# KiCad board F02-Func-Decoder-p.kicad_pcb (continued)
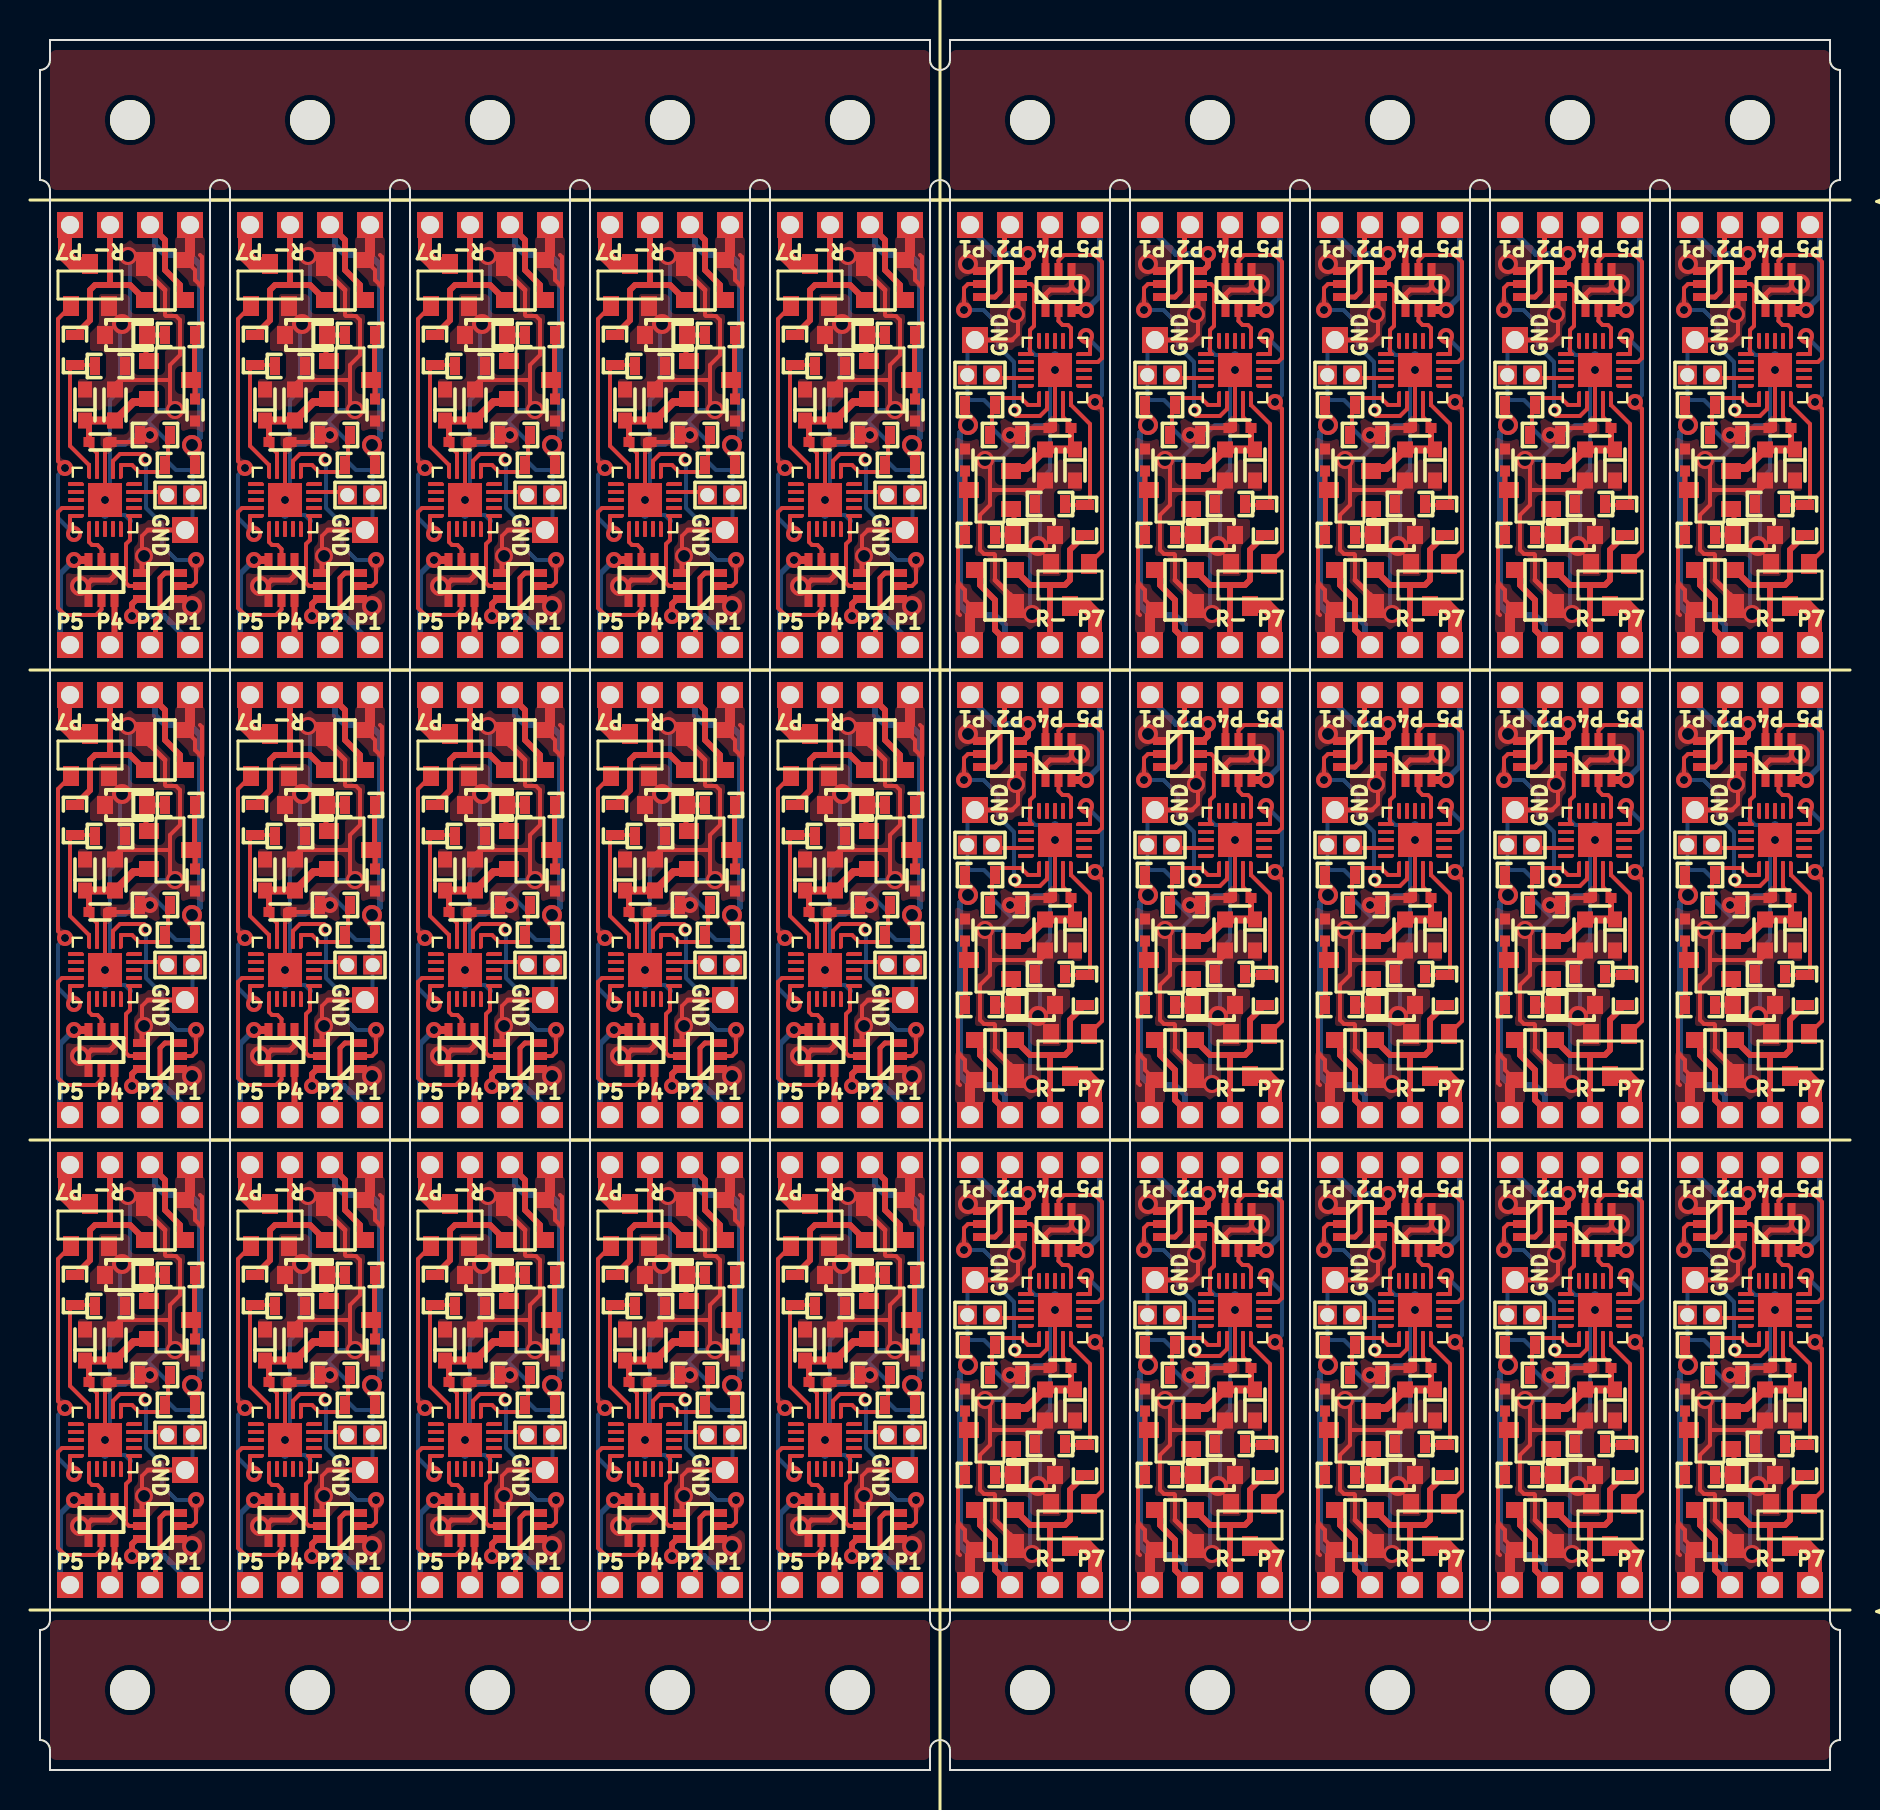
[diagram p0: board, top side]
## Nets (continued)
GND: C1.2 C1#2.2 C2.2 C2#2.2 C3.2 C3#2.2 C4.2 C4#2.2 C5.2 C5#2.2 C6.2 C6#2.2 C7.2 C7#2.2 C8.2 C8#2.2 C9.2 C9#2.2 C10.2 C10#2.2 C11.2 C11#2.2 C12.2 C12#2.2 C13.2 C13#2.2 C14.2 C14#2.2 C15.2 C15#2.2 C16.2 C16#2.2 C17.2 C17#2.2 C18.2 C18#2.2 C19.2 C19#2.2 C20.2 C20#2.2 C21.2 C21#2.2 C22.2 C22#2.2 C23.2 C23#2.2 C24.2 C24#2.2 C25.2 C25#2.2 C26.2 C26#2.2 C27.2 C27#2.2 C28.2 C28#2.2 C29.2 C29#2.2 C30.2 C30#2.2 C31.2 C31#2.2 C32.2 C32#2.2 C33.2 C33#2.2 C34.2 C34#2.2 C35.2 C35#2.2 C36.2 C36#2.2 C37.2 C37#2.2 C38.2 C38#2.2 C39.2 C39#2.2 C40.2 C40#2.2 C41.2 C41#2.2 C42.2 C42#2.2 C43.2 C43#2.2 C44.2 C44#2.2 C45.2 C45#2.2 C46.2 C46#2.2 C47.2 C47#2.2 C48.2 C48#2.2 C49.2 C49#2.2 C50.2 C50#2.2 C51.2 C51#2.2 C52.2 C52#2.2 C53.2 C53#2.2 C54.2 C54#2.2 C55.2 C55#2.2 C56.2 C56#2.2 C57.2 C57#2.2 C58.2 C58#2.2 C59.2 C59#2.2 C60.2 C60#2.2 D1.1 D1#2.1 D2.2 D2#2.2 D3.1 D3#2.1 D4.2 D4#2.2 D5.1 D5#2.1 D6.2 D6#2.2 D7.1 D7#2.1 D8.2 D8#2.2 D9.1 D9#2.1 D10.2 D10#2.2 D11.1 D11#2.1 D12.2 D12#2.2 D13.1 D13#2.1 D14.2 D14#2.2 D15.1 D15#2.1 D16.2 D16#2.2 D17.1 D17#2.1 D18.2 D18#2.2 D19.1 D19#2.1 D20.2 D20#2.2 D21.1 D21#2.1 D22.2 D22#2.2 D23.1 D23#2.1 D24.2 D24#2.2 D25.1 D25#2.1 D26.2 D26#2.2 D27.1 D27#2.1 D28.2 D28#2.2 D29.1 D29#2.1 D30.2 D30#2.2 P4.1 P4#2.1 P5.2 P5#2.2 P9.1 P9#2.1 P10.2 P10#2.2 P14.1 P14#2.1 P15.2 P15#2.2 P19.1 P19#2.1 P20.2 P20#2.2 P24.1 P24#2.1 P25.2 P25#2.2 P29.1 P29#2.1 P30.2 P30#2.2 P34.1 P34#2.1 P35.2 P35#2.2 P39.1 P39#2.1 P40.2 P40#2.2 P44.1 P44#2.1 P45.2 P45#2.2 P49.1 P49#2.1 P50.2 P50#2.2 P54.1 P54#2.1 P55.2 P55#2.2 P59.1 P59#2.1 P60.2 P60#2.2 P64.1 P64#2.1 P65.2 P65#2.2 P69.1 P69#2.1 P70.2 P70#2.2 P74.1 P74#2.1 P75.2 P75#2.2 Q2.1 Q2.4 Q2#2.1 Q2#2.4 Q3.2 Q3#2.2 Q4.1 Q4.4 Q4#2.1 Q4#2.4 Q6.1 Q6.4 Q6#2.1 Q6#2.4 Q7.2 Q7#2.2 Q8.1 Q8.4 Q8#2.1 Q8#2.4 Q10.1 Q10.4 Q10#2.1 Q10#2.4 Q11.2 Q11#2.2 Q12.1 Q12.4 Q12#2.1 Q12#2.4 Q14.1 Q14.4 Q14#2.1 Q14#2.4 Q15.2 Q15#2.2 Q16.1 Q16.4 Q16#2.1 Q16#2.4 Q18.1 Q18.4 Q18#2.1 Q18#2.4 Q19.2 Q19#2.2 Q20.1 Q20.4 Q20#2.1 Q20#2.4 Q22.1 Q22.4 Q22#2.1 Q22#2.4 Q23.2 Q23#2.2 Q24.1 Q24.4 Q24#2.1 Q24#2.4 Q26.1 Q26.4 Q26#2.1 Q26#2.4 Q27.2 Q27#2.2 Q28.1 Q28.4 Q28#2.1 Q28#2.4 Q30.1 Q30.4 Q30#2.1 Q30#2.4 Q31.2 Q31#2.2 Q32.1 Q32.4 Q32#2.1 Q32#2.4 Q34.1 Q34.4 Q34#2.1 Q34#2.4 Q35.2 Q35#2.2 Q36.1 Q36.4 Q36#2.1 Q36#2.4 Q38.1 Q38.4 Q38#2.1 Q38#2.4 Q39.2 Q39#2.2 Q40.1 Q40.4 Q40#2.1 Q40#2.4 Q42.1 Q42.4 Q42#2.1 Q42#2.4 Q43.2 Q43#2.2 Q44.1 Q44.4 Q44#2.1 Q44#2.4 Q46.1 Q46.4 Q46#2.1 Q46#2.4 Q47.2 Q47#2.2 Q48.1 Q48.4 Q48#2.1 Q48#2.4 Q50.1 Q50.4 Q50#2.1 Q50#2.4 Q51.2 Q51#2.2 Q52.1 Q52.4 Q52#2.1 Q52#2.4 Q54.1 Q54.4 Q54#2.1 Q54#2.4 Q55.2 Q55#2.2 Q56.1 Q56.4 Q56#2.1 Q56#2.4 Q58.1 Q58.4 Q58#2.1 Q58#2.4 Q59.2 Q59#2.2 Q60.1 Q60.4 Q60#2.1 Q60#2.4 R3.2 R3#2.2 R4.2 R4#2.2 R8.2 R8#2.2 R9.2 R9#2.2 R13.2 R13#2.2 R14.2 R14#2.2 R18.2 R18#2.2 R19.2 R19#2.2 R23.2 R23#2.2 R24.2 R24#2.2 R28.2 R28#2.2 R29.2 R29#2.2 R33.2 R33#2.2 R34.2 R34#2.2 R38.2 R38#2.2 R39.2 R39#2.2 R43.2 R43#2.2 R44.2 R44#2.2 R48.2 R48#2.2 R49.2 R49#2.2 R53.2 R53#2.2 R54.2 R54#2.2 R58.2 R58#2.2 R59.2 R59#2.2 R63.2 R63#2.2 R64.2 R64#2.2 R68.2 R68#2.2 R69.2 R69#2.2 R73.2 R73#2.2 R74.2 R74#2.2 U1.3 U1.21 U1#2.3 U1#2.21 U2.3 U2.21 U2#2.3 U2#2.21 U3.3 U3.21 U3#2.3 U3#2.21 U4.3 U4.21 U4#2.3 U4#2.21 U5.3 U5.21 U5#2.3 U5#2.21 U6.3 U6.21 U6#2.3 U6#2.21 U7.3 U7.21 U7#2.3 U7#2.21 U8.3 U8.21 U8#2.3 U8#2.21 U9.3 U9.21 U9#2.3 U9#2.21 U10.3 U10.21 U10#2.3 U10#2.21 U11.3 U11.21 U11#2.3 U11#2.21 U12.3 U12.21 U12#2.3 U12#2.21 U13.3 U13.21 U13#2.3 U13#2.21 U14.3 U14.21 U14#2.3 U14#2.21 U15.3 U15.21 U15#2.3 U15#2.21
ABC+: U1.6 U1#2.6 U2.6 U2#2.6 U3.6 U3#2.6 U4.6 U4#2.6 U5.6 U5#2.6 U6.6 U6#2.6 U7.6 U7#2.6 U8.6 U8#2.6 U9.6 U9#2.6 U10.6 U10#2.6 U11.6 U11#2.6 U12.6 U12#2.6 U13.6 U13#2.6 U14.6 U14#2.6 U15.6 U15#2.6
ABC-: U1.17 U1#2.17 U2.17 U2#2.17 U3.17 U3#2.17 U4.17 U4#2.17 U5.17 U5#2.17 U6.17 U6#2.17 U7.17 U7#2.17 U8.17 U8#2.17 U9.17 U9#2.17 U10.17 U10#2.17 U11.17 U11#2.17 U12.17 U12#2.17 U13.17 U13#2.17 U14.17 U14#2.17 U15.17 U15#2.17
BEMF: U1.20 U1#2.20 U2.20 U2#2.20 U3.20 U3#2.20 U4.20 U4#2.20 U5.20 U5#2.20 U6.20 U6#2.20 U7.20 U7#2.20 U8.20 U8#2.20 U9.20 U9#2.20 U10.20 U10#2.20 U11.20 U11#2.20 U12.20 U12#2.20 U13.20 U13#2.20 U14.20 U14#2.20 U15.20 U15#2.20
DIR_JP: U1.13 U1#2.13 U2.13 U2#2.13 U3.13 U3#2.13 U4.13 U4#2.13 U5.13 U5#2.13 U6.13 U6#2.13 U7.13 U7#2.13 U8.13 U8#2.13 U9.13 U9#2.13 U10.13 U10#2.13 U11.13 U11#2.13 U12.13 U12#2.13 U13.13 U13#2.13 U14.13 U14#2.13 U15.13 U15#2.13
Func1: Q2.2 Q2#2.2 Q6.2 Q6#2.2 Q10.2 Q10#2.2 Q14.2 Q14#2.2 Q18.2 Q18#2.2 Q22.2 Q22#2.2 Q26.2 Q26#2.2 Q30.2 Q30#2.2 Q34.2 Q34#2.2 Q38.2 Q38#2.2 Q42.2 Q42#2.2 Q46.2 Q46#2.2 Q50.2 Q50#2.2 Q54.2 Q54#2.2 Q58.2 Q58#2.2 U1.2 U1#2.2 U2.2 U2#2.2 U3.2 U3#2.2 U4.2 U4#2.2 U5.2 U5#2.2 U6.2 U6#2.2 U7.2 U7#2.2 U8.2 U8#2.2 U9.2 U9#2.2 U10.2 U10#2.2 U11.2 U11#2.2 U12.2 U12#2.2 U13.2 U13#2.2 U14.2 U14#2.2 U15.2 U15#2.2
Func2: Q2.5 Q2#2.5 Q6.5 Q6#2.5 Q10.5 Q10#2.5 Q14.5 Q14#2.5 Q18.5 Q18#2.5 Q22.5 Q22#2.5 Q26.5 Q26#2.5 Q30.5 Q30#2.5 Q34.5 Q34#2.5 Q38.5 Q38#2.5 Q42.5 Q42#2.5 Q46.5 Q46#2.5 Q50.5 Q50#2.5 Q54.5 Q54#2.5 Q58.5 Q58#2.5 U1.16 U1#2.16 U2.16 U2#2.16 U3.16 U3#2.16 U4.16 U4#2.16 U5.16 U5#2.16 U6.16 U6#2.16 U7.16 U7#2.16 U8.16 U8#2.16 U9.16 U9#2.16 U10.16 U10#2.16 U11.16 U11#2.16 U12.16 U12#2.16 U13.16 U13#2.16 U14.16 U14#2.16 U15.16 U15#2.16
Func3: U1.8 U1#2.8 U2.8 U2#2.8 U3.8 U3#2.8 U4.8 U4#2.8 U5.8 U5#2.8 U6.8 U6#2.8 U7.8 U7#2.8 U8.8 U8#2.8 U9.8 U9#2.8 U10.8 U10#2.8 U11.8 U11#2.8 U12.8 U12#2.8 U13.8 U13#2.8 U14.8 U14#2.8 U15.8 U15#2.8
Func4: Q4.2 Q4#2.2 Q8.2 Q8#2.2 Q12.2 Q12#2.2 Q16.2 Q16#2.2 Q20.2 Q20#2.2 Q24.2 Q24#2.2 Q28.2 Q28#2.2 Q32.2 Q32#2.2 Q36.2 Q36#2.2 Q40.2 Q40#2.2 Q44.2 Q44#2.2 Q48.2 Q48#2.2 Q52.2 Q52#2.2 Q56.2 Q56#2.2 Q60.2 Q60#2.2 U1.11 U1#2.11 U2.11 U2#2.11 U3.11 U3#2.11 U4.11 U4#2.11 U5.11 U5#2.11 U6.11 U6#2.11 U7.11 U7#2.11 U8.11 U8#2.11 U9.11 U9#2.11 U10.11 U10#2.11 U11.11 U11#2.11 U12.11 U12#2.11 U13.11 U13#2.11 U14.11 U14#2.11 U15.11 U15#2.11
Func5: Q4.5 Q4#2.5 Q8.5 Q8#2.5 Q12.5 Q12#2.5 Q16.5 Q16#2.5 Q20.5 Q20#2.5 Q24.5 Q24#2.5 Q28.5 Q28#2.5 Q32.5 Q32#2.5 Q36.5 Q36#2.5 Q40.5 Q40#2.5 Q44.5 Q44#2.5 Q48.5 Q48#2.5 Q52.5 Q52#2.5 Q56.5 Q56#2.5 Q60.5 Q60#2.5 U1.9 U1#2.9 U2.9 U2#2.9 U3.9 U3#2.9 U4.9 U4#2.9 U5.9 U5#2.9 U6.9 U6#2.9 U7.9 U7#2.9 U8.9 U8#2.9 U9.9 U9#2.9 U10.9 U10#2.9 U11.9 U11#2.9 U12.9 U12#2.9 U13.9 U13#2.9 U14.9 U14#2.9 U15.9 U15#2.9
Func6: U1.15 U1#2.15 U2.15 U2#2.15 U3.15 U3#2.15 U4.15 U4#2.15 U5.15 U5#2.15 U6.15 U6#2.15 U7.15 U7#2.15 U8.15 U8#2.15 U9.15 U9#2.15 U10.15 U10#2.15 U11.15 U11#2.15 U12.15 U12#2.15 U13.15 U13#2.15 U14.15 U14#2.15 U15.15 U15#2.15
Func7: Q3.1 Q3#2.1 Q7.1 Q7#2.1 Q11.1 Q11#2.1 Q15.1 Q15#2.1 Q19.1 Q19#2.1 Q23.1 Q23#2.1 Q27.1 Q27#2.1 Q31.1 Q31#2.1 Q35.1 Q35#2.1 Q39.1 Q39#2.1 Q43.1 Q43#2.1 Q47.1 Q47#2.1 Q51.1 Q51#2.1 Q55.1 Q55#2.1 Q59.1 Q59#2.1 U1.10 U1#2.10 U2.10 U2#2.10 U3.10 U3#2.10 U4.10 U4#2.10 U5.10 U5#2.10 U6.10 U6#2.10 U7.10 U7#2.10 U8.10 U8#2.10 U9.10 U9#2.10 U10.10 U10#2.10 U11.10 U11#2.10 U12.10 U12#2.10 U13.10 U13#2.10 U14.10 U14#2.10 U15.10 U15#2.10
FWD: U1.7 U1#2.7 U2.7 U2#2.7 U3.7 U3#2.7 U4.7 U4#2.7 U5.7 U5#2.7 U6.7 U6#2.7 U7.7 U7#2.7 U8.7 U8#2.7 U9.7 U9#2.7 U10.7 U10#2.7 U11.7 U11#2.7 U12.7 U12#2.7 U13.7 U13#2.7 U14.7 U14#2.7 U15.7 U15#2.7
PWM: U1.14 U1#2.14 U2.14 U2#2.14 U3.14 U3#2.14 U4.14 U4#2.14 U5.14 U5#2.14 U6.14 U6#2.14 U7.14 U7#2.14 U8.14 U8#2.14 U9.14 U9#2.14 U10.14 U10#2.14 U11.14 U11#2.14 U12.14 U12#2.14 U13.14 U13#2.14 U14.14 U14#2.14 U15.14 U15#2.14
RAIL+: D1.3 D1#2.3 D3.3 D3#2.3 D5.3 D5#2.3 D7.3 D7#2.3 D9.3 D9#2.3 D11.3 D11#2.3 D13.3 D13#2.3 D15.3 D15#2.3 D17.3 D17#2.3 D19.3 D19#2.3 D21.3 D21#2.3 D23.3 D23#2.3 D25.3 D25#2.3 D27.3 D27#2.3 D29.3 D29#2.3 P1.1 P1#2.1 P6.1 P6#2.1 P11.1 P11#2.1 P16.1 P16#2.1 P21.1 P21#2.1 P26.1 P26#2.1 P31.1 P31#2.1 P36.1 P36#2.1 P41.1 P41#2.1 P46.1 P46#2.1 P51.1 P51#2.1 P56.1 P56#2.1 P61.1 P61#2.1 P66.1 P66#2.1 P71.1 P71#2.1 R1.1 R1#2.1 R6.1 R6#2.1 R11.1 R11#2.1 R16.1 R16#2.1 R21.1 R21#2.1 R26.1 R26#2.1 R31.1 R31#2.1 R36.1 R36#2.1 R41.1 R41#2.1 R46.1 R46#2.1 R51.1 R51#2.1 R56.1 R56#2.1 R61.1 R61#2.1 R66.1 R66#2.1 R71.1 R71#2.1
RAIL-: D1.2 D1#2.2 D3.2 D3#2.2 D5.2 D5#2.2 D7.2 D7#2.2 D9.2 D9#2.2 D11.2 D11#2.2 D13.2 D13#2.2 D15.2 D15#2.2 D17.2 D17#2.2 D19.2 D19#2.2 D21.2 D21#2.2 D23.2 D23#2.2 D25.2 D25#2.2 D27.2 D27#2.2 D29.2 D29#2.2 P2.1 P2#2.1 P7.1 P7#2.1 P12.1 P12#2.1 P17.1 P17#2.1 P22.1 P22#2.1 P27.1 P27#2.1 P32.1 P32#2.1 P37.1 P37#2.1 P42.1 P42#2.1 P47.1 P47#2.1 P52.1 P52#2.1 P57.1 P57#2.1 P62.1 P62#2.1 P67.1 P67#2.1 P72.1 P72#2.1 R2.1 R2#2.1 R7.1 R7#2.1 R12.1 R12#2.1 R17.1 R17#2.1 R22.1 R22#2.1 R27.1 R27#2.1 R32.1 R32#2.1 R37.1 R37#2.1 R42.1 R42#2.1 R47.1 R47#2.1 R52.1 R52#2.1 R57.1 R57#2.1 R62.1 R62#2.1 R67.1 R67#2.1 R72.1 R72#2.1
REV: U1.18 U1#2.18 U2.18 U2#2.18 U3.18 U3#2.18 U4.18 U4#2.18 U5.18 U5#2.18 U6.18 U6#2.18 U7.18 U7#2.18 U8.18 U8#2.18 U9.18 U9#2.18 U10.18 U10#2.18 U11.18 U11#2.18 U12.18 U12#2.18 U13.18 U13#2.18 U14.18 U14#2.18 U15.18 U15#2.18
TXD: U1.12 U1#2.12 U2.12 U2#2.12 U3.12 U3#2.12 U4.12 U4#2.12 U5.12 U5#2.12 U6.12 U6#2.12 U7.12 U7#2.12 U8.12 U8#2.12 U9.12 U9#2.12 U10.12 U10#2.12 U11.12 U11#2.12 U12.12 U12#2.12 U13.12 U13#2.12 U14.12 U14#2.12 U15.12 U15#2.12
UPDI: P5.1 P5#2.1 P10.1 P10#2.1 P15.1 P15#2.1 P20.1 P20#2.1 P25.1 P25#2.1 P30.1 P30#2.1 P35.1 P35#2.1 P40.1 P40#2.1 P45.1 P45#2.1 P50.1 P50#2.1 P55.1 P55#2.1 P60.1 P60#2.1 P65.1 P65#2.1 P70.1 P70#2.1 P75.1 P75#2.1 U1.19 U1#2.19 U2.19 U2#2.19 U3.19 U3#2.19 U4.19 U4#2.19 U5.19 U5#2.19 U6.19 U6#2.19 U7.19 U7#2.19 U8.19 U8#2.19 U9.19 U9#2.19 U10.19 U10#2.19 U11.19 U11#2.19 U12.19 U12#2.19 U13.19 U13#2.19 U14.19 U14#2.19 U15.19 U15#2.19
Net-(D2-K): D2.1 D2#2.1 D4.1 D4#2.1 D6.1 D6#2.1 D8.1 D8#2.1 D10.1 D10#2.1 D12.1 D12#2.1 D14.1 D14#2.1 D16.1 D16#2.1 D18.1 D18#2.1 D20.1 D20#2.1 D22.1 D22#2.1 D24.1 D24#2.1 D26.1 D26#2.1 D28.1 D28#2.1 D30.1 D30#2.1 Q1.1 Q1#2.1 Q5.1 Q5#2.1 Q9.1 Q9#2.1 Q13.1 Q13#2.1 Q17.1 Q17#2.1 Q21.1 Q21#2.1 Q25.1 Q25#2.1 Q29.1 Q29#2.1 Q33.1 Q33#2.1 Q37.1 Q37#2.1 Q41.1 Q41#2.1 Q45.1 Q45#2.1 Q49.1 Q49#2.1 Q53.1 Q53#2.1 Q57.1 Q57#2.1 R5.2 R5#2.2 R10.2 R10#2.2 R15.2 R15#2.2 R20.2 R20#2.2 R25.2 R25#2.2 R30.2 R30#2.2 R35.2 R35#2.2 R40.2 R40#2.2 R45.2 R45#2.2 R50.2 R50#2.2 R55.2 R55#2.2 R60.2 R60#2.2 R65.2 R65#2.2 R70.2 R70#2.2 R75.2 R75#2.2
Net-(U1-PA2): R1.2 R1#2.2 R3.1 R3#2.1 R6.2 R6#2.2 R8.1 R8#2.1 R11.2 R11#2.2 R13.1 R13#2.1 R16.2 R16#2.2 R18.1 R18#2.1 R21.2 R21#2.2 R23.1 R23#2.1 R26.2 R26#2.2 R28.1 R28#2.1 R31.2 R31#2.2 R33.1 R33#2.1 R36.2 R36#2.2 R38.1 R38#2.1 R41.2 R41#2.2 R43.1 R43#2.1 R46.2 R46#2.2 R48.1 R48#2.1 R51.2 R51#2.2 R53.1 R53#2.1 R56.2 R56#2.2 R58.1 R58#2.1 R61.2 R61#2.2 R63.1 R63#2.1 R66.2 R66#2.2 R68.1 R68#2.1 R71.2 R71#2.2 R73.1 R73#2.1 U1.1 U1#2.1 U2.1 U2#2.1 U3.1 U3#2.1 U4.1 U4#2.1 U5.1 U5#2.1 U6.1 U6#2.1 U7.1 U7#2.1 U8.1 U8#2.1 U9.1 U9#2.1 U10.1 U10#2.1 U11.1 U11#2.1 U12.1 U12#2.1 U13.1 U13#2.1 U14.1 U14#2.1 U15.1 U15#2.1
Net-(U1-PA4): R2.2 R2#2.2 R4.1 R4#2.1 R7.2 R7#2.2 R9.1 R9#2.1 R12.2 R12#2.2 R14.1 R14#2.1 R17.2 R17#2.2 R19.1 R19#2.1 R22.2 R22#2.2 R24.1 R24#2.1 R27.2 R27#2.2 R29.1 R29#2.1 R32.2 R32#2.2 R34.1 R34#2.1 R37.2 R37#2.2 R39.1 R39#2.1 R42.2 R42#2.2 R44.1 R44#2.1 R47.2 R47#2.2 R49.1 R49#2.1 R52.2 R52#2.2 R54.1 R54#2.1 R57.2 R57#2.2 R59.1 R59#2.1 R62.2 R62#2.2 R64.1 R64#2.1 R67.2 R67#2.2 R69.1 R69#2.1 R72.2 R72#2.2 R74.1 R74#2.1 U1.5 U1#2.5 U2.5 U2#2.5 U3.5 U3#2.5 U4.5 U4#2.5 U5.5 U5#2.5 U6.5 U6#2.5 U7.5 U7#2.5 U8.5 U8#2.5 U9.5 U9#2.5 U10.5 U10#2.5 U11.5 U11#2.5 U12.5 U12#2.5 U13.5 U13#2.5 U14.5 U14#2.5 U15.5 U15#2.5

Pads without a net: J1 1; J1#2 1; J2 1; J2#2 1; J3 1; J3#2 1; J4 1; J4#2 1; J5 1; J5#2 1; J6 1; J6#2 1; J7 1; J7#2 1; J8 1; J8#2 1; J9 1; J9#2 1; J10 1; J10#2 1; J11 1; J11#2 1; J12 1; J12#2 1; J13 1; J13#2 1; J14 1; J14#2 1; J15 1; J15#2 1; J16 1; J16#2 1; J17 1; J17#2 1; J18 1; J18#2 1; J19 1; J19#2 1; J20 1; J20#2 1; J21 1; J21#2 1; J22 1; J22#2 1; J23 1; J23#2 1; J24 1; J24#2 1; J25 1; J25#2 1; J26 1; J26#2 1; J27 1; J27#2 1; J28 1; J28#2 1; J29 1; J29#2 1; J30 1; J30#2 1; J31 1; J31#2 1; J32 1; J32#2 1; J33 1; J33#2 1; J34 1; J34#2 1; J35 1; J35#2 1; J36 1; J36#2 1; J37 1; J37#2 1; J38 1; J38#2 1; J39 1; J39#2 1; J40 1; J40#2 1; J41 1; J41#2 1; J42 1; J42#2 1; J43 1; J43#2 1; J44 1; J44#2 1; J45 1; J45#2 1; J46 1; J46#2 1; J47 1; J47#2 1; J48 1; J48#2 1; J49 1; J49#2 1; J50 1; J50#2 1; J51 1; J51#2 1; J52 1; J52#2 1; J53 1; J53#2 1; J54 1; J54#2 1; J55 1; J55#2 1; J56 1; J56#2 1; J57 1; J57#2 1; J58 1; J58#2 1; J59 1; J59#2 1; J60 1; J60#2 1; J61 1; J61#2 1; J62 1; J62#2 1; J63 1; J63#2 1; J64 1; J64#2 1; J65 1; J65#2 1; J66 1; J66#2 1; J67 1; J67#2 1; J68 1; J68#2 1; J69 1; J69#2 1; J70 1; J70#2 1; J71 1; J71#2 1; J72 1; J72#2 1; J73 1; J73#2 1; J74 1; J74#2 1; J75 1; J75#2 1; Q2 3 6; Q2#2 3 6; Q3 3; Q3#2 3; Q4 3 6; Q4#2 3 6; Q6 3 6; Q6#2 3 6; Q7 3; Q7#2 3; Q8 3 6; Q8#2 3 6; Q10 3 6; Q10#2 3 6; Q11 3; Q11#2 3; Q12 3 6; Q12#2 3 6; Q14 3 6; Q14#2 3 6; Q15 3; Q15#2 3; Q16 3 6; Q16#2 3 6; Q18 3 6; Q18#2 3 6; Q19 3; Q19#2 3; Q20 3 6; Q20#2 3 6; Q22 3 6; Q22#2 3 6; Q23 3; Q23#2 3; Q24 3 6; Q24#2 3 6; Q26 3 6; Q26#2 3 6; Q27 3; Q27#2 3; Q28 3 6; Q28#2 3 6; Q30 3 6; Q30#2 3 6; Q31 3; Q31#2 3; Q32 3 6; Q32#2 3 6; Q34 3 6; Q34#2 3 6; Q35 3; Q35#2 3; Q36 3 6; Q36#2 3 6; Q38 3 6; Q38#2 3 6; Q39 3; Q39#2 3; Q40 3 6; Q40#2 3 6; Q42 3 6; Q42#2 3 6; Q43 3; Q43#2 3; Q44 3 6; Q44#2 3 6; Q46 3 6; Q46#2 3 6; Q47 3; Q47#2 3; Q48 3 6; Q48#2 3 6; Q50 3 6; Q50#2 3 6; Q51 3; Q51#2 3; Q52 3 6; Q52#2 3 6; Q54 3 6; Q54#2 3 6; Q55 3; Q55#2 3; Q56 3 6; Q56#2 3 6; Q58 3 6; Q58#2 3 6; Q59 3; Q59#2 3; Q60 3 6; Q60#2 3 6

## Via types
v1: diameter 0.8, hole 0.4, Top to Bottom, 210 vias
v2: diameter 1, hole 0.6, Top to Bottom, 120 vias
v3: diameter 0.9, hole 0.6, Top to Bottom, 90 vias
v4: diameter 0.6, hole 0.3, Top to Bottom, 30 vias

## Routing (per net, layer and track width the routed paths; a pad name or vN(x,y) marks a point on that pad's centre or on a via; arc(x,y) is an arc through that point)
+5V: length 195.9
  Top w0.2: U6.4 87.15,44.15 87.4,43.9 ; U6#2.4 2.85,42.35 2.6,42.6 ; U7#2.4 78.15,44.15 78.4,43.9 ; 69.4,67.4 69.4,67.25 C49#2.1 ; 69.4,67.4 69.55,67.25 ; 69.4,67.4 69.15,67.65 U13.4 ; C33.1 29.6,42.75 29.6,42.6 ; 38.6,19.1 38.85,18.85 U15#2.4 ; 38.6,19.1 38.45,19.25 ; 38.6,19.1 38.6,19.25 C57#2.1 ; 20.6,42.6 20.6,42.75 C29.1 ; 20.6,42.6 20.85,42.35 U8#2.4 ; 20.6,42.6 20.45,42.75 ; 29.6,66.1 29.45,66.25 ; 29.6,66.1 29.85,65.85 U4.4 ; 29.6,66.1 29.6,66.25 C13#2.1 ; U8.4 69.15,44.15 69.4,43.9 ; C9#2.1 69.4,20.25 69.4,20.4 ; 29.6,19.1 29.85,18.85 U14.4 ; 29.6,19.1 29.6,19.25 C53.1 ; 29.6,19.1 29.45,19.25 ; 20.6,19.1 20.6,19.25 C49.1 ; 20.6,19.1 20.85,18.85 U13#2.4 ; 20.6,19.1 20.45,19.25 ; 87.4,20.4 87.55,20.25 ; 87.4,20.4 87.15,20.65 U1#2.4 ; 87.4,20.4 87.4,20.25 C1.1 ; 2.6,19.1 2.6,19.25 C41#2.1 ; 2.6,19.1 2.85,18.85 U11#2.4 ; 2.6,19.1 2.45,19.25 ; 38.6,66.1 38.85,65.85 U5#2.4 ; 38.6,66.1 38.6,66.25 C17#2.1 ; 38.6,66.1 38.45,66.25 ; U1.4 2.85,65.85 2.6,66.1 ; 2.6,66.1 2.6,66.25 C1#2.1 ; 2.6,66.1 2.45,66.25 ; 78.4,20.4 78.55,20.25 ; 78.4,20.4 78.4,20.25 C5#2.1 ; 78.4,20.4 78.15,20.65 U2.4 ; 11.6,66.1 11.45,66.25 ; 11.6,66.1 11.6,66.25 C5.1 ; 11.6,66.1 11.85,65.85 U2#2.4 ; 60.4,67.4 60.55,67.25 ; 60.4,67.4 60.4,67.25 C53#2.1 ; 60.4,67.4 60.15,67.65 U14#2.4 ; 51.4,20.4 51.4,20.25 C17.1 ; 51.4,20.4 51.55,20.25 ; 51.4,20.4 51.15,20.65 U5.4 ; 87.4,67.4 87.55,67.25 ; 87.4,67.4 87.4,67.25 C41.1 ; 87.4,67.4 87.15,67.65 U11.4 ; 11.6,42.6 11.6,42.75 C25#2.1 ; 11.6,42.6 11.85,42.35 U7.4 ; 11.6,42.6 11.45,42.75 ; 69.4,20.4 69.55,20.25 ; 69.4,20.4 69.15,20.65 U3.4 ; 69.4,43.9 69.55,43.75 ; 69.4,43.9 69.4,43.75 C29#2.1 ; 51.4,67.4 51.4,67.25 C57.1 ; 51.4,67.4 51.55,67.25 ; 51.4,67.4 51.15,67.65 U15.4 ; 2.6,42.6 2.6,42.75 C21#2.1 ; 2.6,42.6 2.45,42.75 ; 87.4,43.9 87.55,43.75 ; 87.4,43.9 87.4,43.75 C21.1 ; C25.1 78.4,43.75 78.4,43.9 ; C33#2.1 60.4,43.75 60.4,43.9 ; U10.4 38.85,42.35 38.6,42.6 ; 60.4,20.4 60.4,20.25 C13.1 ; 60.4,20.4 60.15,20.65 U4#2.4 ; 60.4,20.4 60.55,20.25 ; U9#2.4 60.15,44.15 60.4,43.9 ; 78.4,67.4 78.15,67.65 U12.4 ; 78.4,67.4 78.4,67.25 C45.1 ; 78.4,67.4 78.55,67.25 ; U9.4 29.85,42.35 29.6,42.6 ; 20.6,66.1 20.6,66.25 C9.1 ; 20.6,66.1 20.85,65.85 U3#2.4 ; 20.6,66.1 20.45,66.25 ; 60.4,43.9 60.55,43.75 ; 11.6,19.1 11.6,19.25 C45#2.1 ; 11.6,19.1 11.45,19.25 ; 11.6,19.1 11.85,18.85 U12#2.4 ; 51.4,43.9 51.55,43.75 ; 51.4,43.9 51.15,44.15 U10#2.4 ; 51.4,43.9 51.4,43.75 C37#2.1 ; 78.4,43.9 78.55,43.75 ; 38.6,42.6 38.6,42.75 C37.1 ; 38.6,42.6 38.45,42.75 ; 29.6,42.6 29.45,42.75
  Top w0.3: 69.55,20 69.55,18.97 ; 78.55,43.5 78.55,42.47 ; 69.55,19.22 C12#2.1 ; 38.45,19.5 38.45,20.53 ; 69.55,43.5 69.55,42.47 ; 20.45,67.28 C12.1 ; 29.45,43.78 C36.1 ; 60.55,66.22 C56#2.1 ; 78.55,42.72 C28.1 ; 87.55,66.22 C44#2.1 ; 60.55,19.22 C16#2.1 ; 11.45,67.28 C8.1 ; 29.45,43 29.45,44.03 ; 51.55,67 51.55,65.97 ; 78.55,19.22 C8#2.1 ; 51.55,43.5 51.55,42.47 ; 69.55,66.22 C52#2.1 ; 51.55,42.72 C40.1 ; 51.55,19.22 C20.1 ; 11.45,19.5 11.45,20.53 ; 2.45,19.5 2.45,20.53 ; 38.45,20.28 C60.1 ; 20.45,66.5 20.45,67.53 ; 69.55,67 69.55,65.97 ; 29.45,19.5 29.45,20.53 ; 29.45,20.28 C56.1 ; 2.45,67.28 C4#2.1 ; 20.45,19.5 20.45,20.53 ; 78.55,67 78.55,65.97 ; 78.55,66.22 C48.1 ; 38.45,43 38.45,44.03 ; 60.55,43.5 60.55,42.47 ; 20.45,43.78 C32.1 ; 78.55,20 78.55,18.97 ; 11.45,43.78 C28#2.1 ; 11.45,66.5 11.45,67.53 ; 87.55,43.5 87.55,42.47 ; 87.55,19.22 C4.1 ; 60.55,67 60.55,65.97 ; 38.45,66.5 38.45,67.53 ; 87.55,20 87.55,18.97 ; 2.45,66.5 2.45,67.53 ; 2.45,43.78 C24.1 ; 29.45,66.5 29.45,67.53 ; 2.45,20.28 C44.1 ; 11.45,20.28 C48#2.1 ; 51.55,66.22 C60#2.1 ; 29.45,67.28 C16.1 ; 51.55,20 51.55,18.97 ; 38.45,67.28 C20#2.1 ; 20.45,43 20.45,44.03 ; 87.55,67 87.55,65.97 ; 87.55,42.72 C24#2.1 ; 11.45,43 11.45,44.03 ; 60.55,20 60.55,18.97 ; 20.45,20.28 C52.1 ; 2.45,43 2.45,44.03 ; 60.55,42.72 C36#2.1 ; 69.55,42.72 C32#2.1 ; 38.45,43.78 C40#2.1
  Top w0.4: 11.5,20.47 C47#2.1 13.67,21.4 14.3,21.4 Q45.2 ; 2.5,67.47 C3.1 4.67,68.4 5.3,68.4 Q1.2 ; 78.5,66.03 C47.1 76.32,65.1 75.7,65.1 Q45#2.2 ; 51.5,19.03 C19.1 49.32,18.1 48.7,18.1 Q17#2.2 ; 11.5,67.47 C7#2.1 13.67,68.4 14.3,68.4 Q5#2.2 ; 78.5,19.03 C7.1 76.32,18.1 75.7,18.1 Q5.2 ; Q13.2 57.7,18.1 58.32,18.1 C15#2.1 60.5,19.03 ; Q49.2 66.7,65.1 67.32,65.1 C51#2.1 69.5,66.03 ; Q33#2.2 57.7,41.6 58.32,41.6 C35#2.1 60.5,42.53 ; Q33.2 32.3,44.9 31.68,44.9 C35.1 29.5,43.97 ; Q17.2 41.3,68.4 40.68,68.4 C19#2.1 38.5,67.47 ; 20.5,43.97 C31#2.1 22.68,44.9 23.3,44.9 Q29#2.2 ; 51.5,66.03 C59#2.1 49.32,65.1 48.7,65.1 Q57#2.2 ; Q29.2 66.7,41.6 67.32,41.6 C31.1 69.5,42.53 ; Q49#2.2 23.3,21.4 22.68,21.4 C51.1 20.5,20.47 ; 87.5,19.03 C3#2.1 85.32,18.1 84.7,18.1 Q1#2.2 ; 29.5,20.47 C55#2.1 31.68,21.4 32.3,21.4 Q53.2 ; 2.5,20.47 C43.1 4.67,21.4 5.3,21.4 Q41.2 ; 60.5,66.03 C55.1 58.32,65.1 57.7,65.1 Q53#2.2 ; Q21#2.2 84.7,41.6 85.32,41.6 C23.1 87.5,42.53 ; Q13#2.2 32.3,68.4 31.68,68.4 C15.1 29.5,67.47 ; Q25#2.2 14.3,44.9 13.67,44.9 C27#2.1 11.5,43.97 ; Q21.2 5.3,44.9 4.67,44.9 C23#2.1 2.5,43.97 ; Q9#2.2 66.7,18.1 67.32,18.1 C11#2.1 69.5,19.03 ; Q41#2.2 84.7,65.1 85.32,65.1 C43#2.1 87.5,66.03 ; 38.5,43.97 C39#2.1 40.68,44.9 41.3,44.9 Q37.2 ; Q25.2 75.7,41.6 76.32,41.6 C27.1 78.5,42.53 ; 20.5,67.47 C11.1 22.68,68.4 23.3,68.4 Q9.2 ; Q57.2 41.3,21.4 40.68,21.4 C59.1 38.5,20.47 ; Q37#2.2 48.7,41.6 49.32,41.6 C39.1 51.5,42.53
+12V: length 334.6
  Top w0.2: 82,34.25 81.9,34.35 81.9,36 ; 63.9,59.5 63.9,61.15 64.28,61.53 64.28,61.75 ; 63.9,59.5 63.9,57.85 64,57.75 ; 63.9,59.5 63.9,59.35 64.25,59 64.25,58.5 D25.4 ; 54.9,36 54.9,37.65 55.28,38.03 55.28,38.25 ; 54.9,36 54.9,35.85 55.25,35.5 55.25,35 D17#2.4 ; 54.9,36 54.9,34.35 55,34.25 ; 44.1,27 44.1,28.65 44,28.75 ; 44.1,27 44.1,25.35 43.72,24.97 43.72,24.75 ; 44.1,27 44.1,27.15 43.75,27.5 43.75,28 D29.4 ; 81.9,36 81.9,35.85 82.25,35.5 82.25,35 D11.4 ; 81.9,36 81.9,37.65 82.28,38.03 82.28,38.25 ; D3#2.4 16.75,75 16.75,74.5 17.1,74.15 17.1,74 ; 44,52.25 44.1,52.15 44.1,50.5 ; D9#2.4 46.25,11.5 46.25,12 45.9,12.35 45.9,12.5 ; 63.9,36 63.9,35.85 64.25,35.5 64.25,35 D15#2.4 ; 63.9,36 63.9,34.35 64,34.25 ; 63.9,36 63.9,37.65 64.28,38.03 64.28,38.25 ; 46.28,38.25 46.28,38.03 45.9,37.65 45.9,36 ; 64.28,14.75 64.28,14.53 63.9,14.15 63.9,12.5 ; D11#2.4 7.75,51.5 7.75,51 8.1,50.65 8.1,50.5 ; D19#2.4 46.25,35 46.25,35.5 45.9,35.85 45.9,36 ; 35.1,74 35.1,74.15 34.75,74.5 34.75,75 D7.4 ; 35.1,74 35.1,72.35 34.72,71.97 34.72,71.75 ; 35.1,74 35.1,75.65 35,75.75 ; 26.1,50.5 26.1,52.15 26,52.25 ; 26.1,50.5 26.1,50.65 25.75,51 25.75,51.5 D15.4 ; 26.1,50.5 26.1,48.85 25.72,48.47 25.72,48.25 ; 26.1,74 26.1,75.65 26,75.75 ; 26.1,74 26.1,74.15 25.75,74.5 25.75,75 D5.4 ; 26.1,74 26.1,72.35 25.72,71.97 25.72,71.75 ; 73,34.25 72.9,34.35 72.9,36 ; 45.9,59.5 45.9,57.85 46,57.75 ; 45.9,59.5 45.9,59.35 46.25,59 46.25,58.5 D29#2.4 ; 45.9,59.5 45.9,61.15 46.28,61.53 46.28,61.75 ; 43.72,71.75 43.72,71.97 44.1,72.35 44.1,74 ; 72.9,59.5 72.9,57.85 73,57.75 ; 72.9,59.5 72.9,61.15 73.28,61.53 73.28,61.75 ; 72.9,59.5 72.9,59.35 73.25,59 73.25,58.5 D23.4 ; 55.28,14.75 55.28,14.53 54.9,14.15 54.9,12.5 ; D19.4 43.75,51.5 43.75,51 44.1,50.65 44.1,50.5 ; 45.9,36 45.9,34.35 46,34.25 ; 81.9,12.5 81.9,14.15 82.28,14.53 82.28,14.75 ; 81.9,12.5 81.9,10.85 82,10.75 ; 81.9,12.5 81.9,12.35 82.25,12 82.25,11.5 D1.4 ; 17.1,50.5 17.1,48.85 16.72,48.47 16.72,48.25 ; 17.1,50.5 17.1,52.15 17,52.25 ; 17.1,50.5 17.1,50.65 16.75,51 16.75,51.5 D13#2.4 ; 17,28.75 17.1,28.65 17.1,27 ; 26.1,27 26.1,27.15 25.75,27.5 25.75,28 D25#2.4 ; 26.1,27 26.1,25.35 25.72,24.97 25.72,24.75 ; 26.1,27 26.1,28.65 26,28.75 ; 46,10.75 45.9,10.85 45.9,12.5 ; 54.9,12.5 54.9,10.85 55,10.75 ; 54.9,12.5 54.9,12.35 55.25,12 55.25,11.5 D7#2.4 ; D23#2.4 16.75,28 16.75,27.5 17.1,27.15 17.1,27 ; 8.1,50.5 8.1,52.15 8,52.25 ; 8.1,50.5 8.1,48.85 7.72,48.47 7.72,48.25 ; 35.1,50.5 35.1,52.15 35,52.25 ; 35.1,50.5 35.1,50.65 34.75,51 34.75,51.5 D17.4 ; 35.1,50.5 35.1,48.85 34.72,48.47 34.72,48.25 ; 46.28,14.75 46.28,14.53 45.9,14.15 45.9,12.5 ; 54.9,59.5 54.9,57.85 55,57.75 ; 54.9,59.5 54.9,61.15 55.28,61.53 55.28,61.75 ; 54.9,59.5 54.9,59.35 55.25,59 55.25,58.5 D27.4 ; 44.1,74 44.1,74.15 43.75,74.5 43.75,75 D9.4 ; 44.1,74 44.1,75.65 44,75.75 ; 64,10.75 63.9,10.85 63.9,12.5 ; 34.72,24.75 34.72,24.97 35.1,25.35 35.1,27 ; 16.72,24.75 16.72,24.97 17.1,25.35 17.1,27 ; 7.72,24.75 7.72,24.97 8.1,25.35 8.1,27 ; 35.1,27 35.1,27.15 34.75,27.5 34.75,28 D27#2.4 ; 35.1,27 35.1,28.65 35,28.75 ; 63.9,12.5 63.9,12.35 64.25,12 64.25,11.5 D5#2.4 ; 8.1,27 8.1,27.15 7.75,27.5 7.75,28 D21#2.4 ; 8.1,27 8.1,28.65 8,28.75 ; 44.1,50.5 44.1,48.85 43.72,48.47 43.72,48.25 ; 82.28,61.75 82.28,61.53 81.9,61.15 81.9,59.5 ; 72.9,36 72.9,35.85 73.25,35.5 73.25,35 D13.4 ; 72.9,36 72.9,37.65 73.28,38.03 73.28,38.25 ; 72.9,12.5 72.9,12.35 73.25,12 73.25,11.5 D3.4 ; 72.9,12.5 72.9,10.85 73,10.75 ; 72.9,12.5 72.9,14.15 73.28,14.53 73.28,14.75 ; 17.1,74 17.1,72.35 16.72,71.97 16.72,71.75 ; 17.1,74 17.1,75.65 17,75.75 ; 82,57.75 81.9,57.85 81.9,59.5 ; 81.9,59.5 81.9,59.35 82.25,59 82.25,58.5 D21.4 ; 8.1,74 8.1,75.65 8,75.75 ; 8.1,74 8.1,74.15 7.75,74.5 7.75,75 D1#2.4 ; 8.1,74 8.1,72.35 7.72,71.97 7.72,71.75
  Top w0.25: 82.28,61.75 82.28,63.83 Q41#2.3 82.25,64.2 C42.1 ; 43.72,24.75 43.72,22.67 Q57.3 43.75,22.3 C58#2.1 ; 25.72,71.75 25.72,69.67 Q9.3 25.75,69.3 C10#2.1 ; C30#2.1 64.25,40.7 Q29.3 64.28,40.33 64.28,38.25 ; C26.1 73.25,40.7 Q25.3 73.28,40.33 73.28,38.25 ; 82.28,38.25 82.28,40.33 Q21#2.3 82.25,40.7 C22#2.1 ; 34.72,48.25 34.72,46.17 Q33.3 34.75,45.8 C34#2.1 ; C6.1 73.25,17.2 Q5.3 73.28,16.83 73.28,14.75 ; 46.28,14.75 46.28,16.83 Q17#2.3 46.25,17.2 C18#2.1 ; C38.1 46.25,40.7 Q37#2.3 46.28,40.33 46.28,38.25 ; C54#2.1 55.25,64.2 Q53#2.3 55.28,63.83 55.28,61.75 ; 25.72,24.75 25.72,22.67 Q49#2.3 25.75,22.3 C50.1 ; 16.72,48.25 16.72,46.17 Q25#2.3 16.75,45.8 C26#2.1 ; C2.1 7.75,69.3 Q1.3 7.72,69.67 7.72,71.75 ; C18.1 43.75,69.3 Q17.3 43.72,69.67 43.72,71.75 ; C14#2.1 55.25,17.2 Q13.3 55.28,16.83 55.28,14.75 ; 34.72,24.75 34.72,22.67 Q53.3 34.75,22.3 C54.1 ; 7.72,48.25 7.72,46.17 Q21.3 7.75,45.8 C22.1 ; 7.72,24.75 7.72,22.67 Q41.3 7.75,22.3 C42#2.1 ; C46.1 16.75,22.3 Q45.3 16.72,22.67 16.72,24.75 ; C30.1 25.75,45.8 Q29#2.3 25.72,46.17 25.72,48.25 ; 55.28,38.25 55.28,40.33 Q33#2.3 55.25,40.7 C34.1 ; C58.1 46.25,64.2 Q57#2.3 46.28,63.83 46.28,61.75 ; C38#2.1 43.75,45.8 Q37.3 43.72,46.17 43.72,48.25 ; 64.28,61.75 64.28,63.83 Q49.3 64.25,64.2 C50#2.1 ; 16.72,71.75 16.72,69.67 Q5#2.3 16.75,69.3 C6#2.1 ; 64.28,14.75 64.28,16.83 Q9#2.3 64.25,17.2 C10.1 ; 34.72,71.75 34.72,69.67 Q13#2.3 34.75,69.3 C14.1 ; 73.28,61.75 73.28,63.83 Q45#2.3 73.25,64.2 C46#2.1 ; C2#2.1 82.25,17.2 Q1#2.3 82.28,16.83 82.28,14.75
  Top w0.5: 46.5,10.75 46.5,9 ; 16.5,28.75 16.5,30.5 ; 46.5,34.25 46.5,32.5 ; 73.5,34.25 73.5,32.5 ; 55.5,34.25 55.5,32.5 ; 43.5,28.75 43.5,30.5 ; 7.5,28.75 7.5,30.5 ; 55.5,57.75 55.5,56 ; 43.5,52.25 43.5,54 ; 7.5,52.25 7.5,54 ; 34.5,75.75 34.5,77.5 ; 82.5,57.75 82.5,56 ; 25.5,52.25 25.5,54 ; 73.5,57.75 73.5,56 ; 43.5,75.75 43.5,77.5 ; 46.5,57.75 46.5,56 ; 73.5,10.75 73.5,9 ; 34.5,28.75 34.5,30.5 ; 34.5,52.25 34.5,54 ; 16.5,52.25 16.5,54 ; 82.5,10.75 82.5,9 ; 25.5,28.75 25.5,30.5 ; 25.5,75.75 25.5,77.5 ; 82.5,34.25 82.5,32.5 ; 64.5,10.75 64.5,9 ; 7.5,75.75 7.5,77.5 ; 55.5,10.75 55.5,9 ; 64.5,34.25 64.5,32.5 ; 16.5,75.75 16.5,77.5 ; 64.5,57.75 64.5,56
GND: length 1549.5